# Altium PCB Goldstrike1_Rev01 2014 06 02 2.PcbDoc (part 3 of 6) (continued)
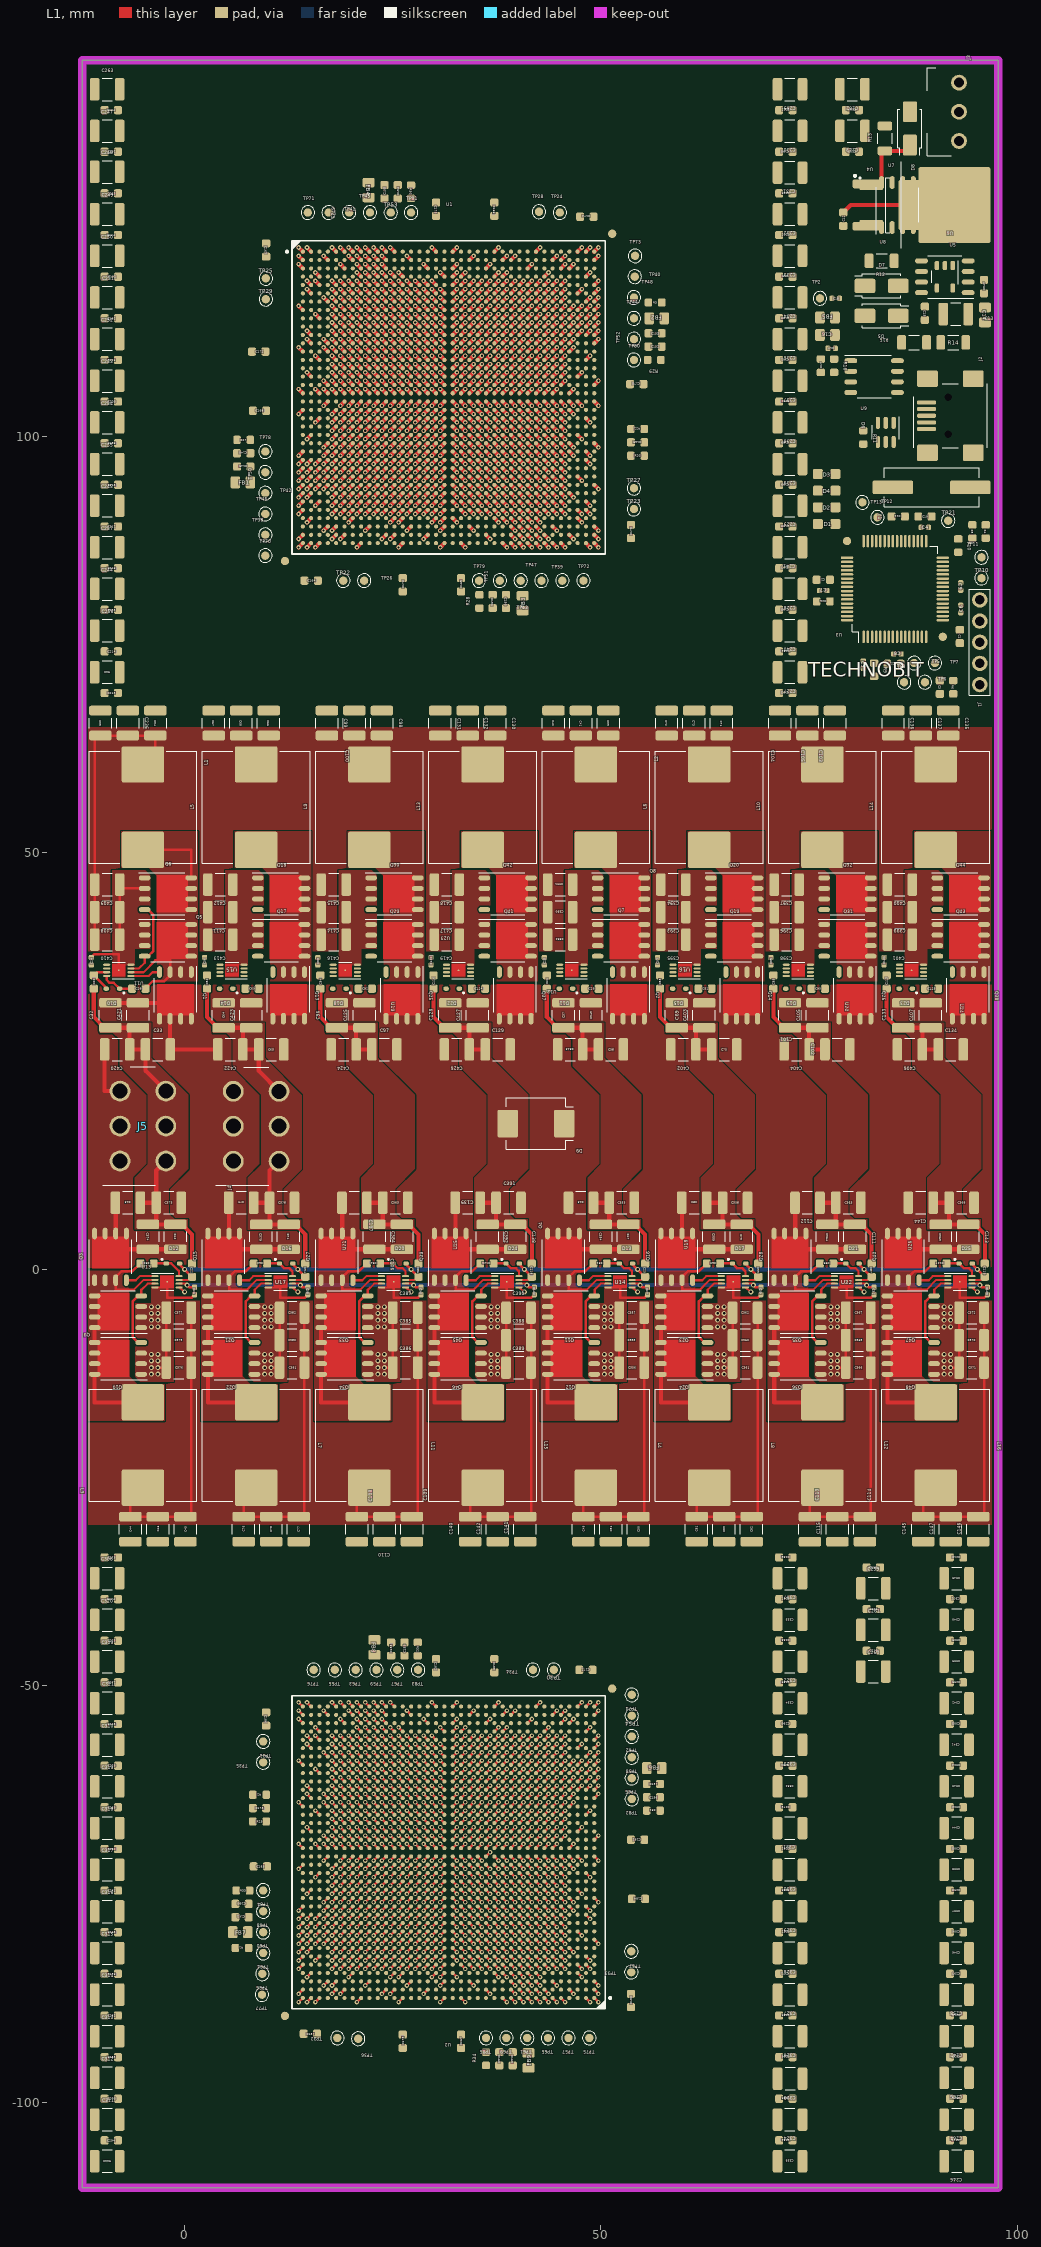
[diagram p0: L1 view]
## Nets (pads, with @x,y where several pads share a name; then routed paths per layer and width w, separated by ;. In a path a pad name is that pad's centre, name@x,y a point inside that pad or via, vN(x,y) a via of type N, cw(c..) or ccw(c..) an arc to the next point about the centre after c; other vN are vias at no path point) (continued)
  L1 w0.5: v1(13.7,96.7) U1.AF1@14.2,97.2 ; v1(16.7,105.7) U1.V4@17.2,105.2 ; v1(17.7,92.7) U1.AK5@18.2,93.2 ; v1(17.7,94.7) U1.AH5@18.2,95.2 ; v1(17.7,98.7) U1.AD5@18.2,99.2 ; v1(17.7,106.7) U1.U5@18.2,106.2 ; v1(17.7,108.7) U1.R5@18.2,108.2 ; v1(17.7,110.7) U1.N5@18.2,110.2 ; v1(17.7,112.7) U1.L5@18.2,112.2 ; v1(17.7,114.7) U1.J5@18.2,114.2 ; v1(18.7,91.7) U1.AL6@19.2,92.2 ; v1(18.7,93.7) U1.AJ6@19.2,94.2 ; v1(18.7,95.7) U1.AG6@19.2,96.2 ; v1(18.7,97.7) U1.AE6@19.2,98.2 ; v1(18.7,99.7) U1.AC6@19.2,100.2 ; v1(18.7,101.7) U1.AA6@19.2,102.2 ; v1(18.7,103.7) U1.W6@19.2,104.2 ; v1(18.7,105.7) U1.V6@19.2,105.2 ; v1(18.7,107.7) U1.T6@19.2,107.2 ; v1(18.7,109.7) U1.P6@19.2,109.2 ; v1(18.7,111.7) U1.M6@19.2,111.2 ; v1(18.7,113.7) U1.K6@19.2,113.2 ; v1(18.7,115.7) U1.H6@19.2,115.2 ; v1(18.7,117.7) U1.F6@19.2,117.2 ; v1(19.7,92.7) U1.AK7@20.2,93.2 ; v1(19.7,94.7) U1.AH7@20.2,95.2 ; v1(19.7,96.7) U1.AF7@20.2,97.2 ; v1(19.7,98.7) U1.AD7@20.2,99.2 ; v1(19.7,100.7) U1.AB7@20.2,101.2 ; v1(19.7,102.7) U1.Y7@20.2,103.2 ; v1(19.7,106.7) U1.U7@20.2,106.2 ; v1(19.7,108.7) U1.R7@20.2,108.2 ; v1(19.7,110.7) U1.N7@20.2,110.2 ; v1(19.7,112.7) U1.L7@20.2,112.2 ; v1(19.7,114.7) U1.J7@20.2,114.2 ; v1(19.7,116.7) U1.G7@20.2,116.2 ; v1(19.7,118.7) U1.E7@20.2,118.2 ; v1(20.7,91.7) U1.AL8@21.2,92.2 ; v1(20.7,93.7) U1.AJ8@21.2,94.2 ; v1(20.7,95.7) U1.AG8@21.2,96.2 ; v1(20.7,97.7) U1.AE8@21.2,98.2 ; v1(20.7,99.7) U1.AC8@21.2,100.2 ; v1(20.7,101.7) U1.AA8@21.2,102.2 ; v1(20.7,103.7) U1.W8@21.2,104.2 ; v1(20.7,105.7) U1.V8@21.2,105.2 ; v1(20.7,107.7) U1.T8@21.2,107.2 ; v1(20.7,109.7) U1.P8@21.2,109.2 ; v1(20.7,111.7) U1.M8@21.2,111.2 ; v1(20.7,113.7) U1.K8@21.2,113.2 ; v1(20.7,115.7) U1.H8@21.2,115.2 ; v1(20.7,117.7) U1.F8@21.2,117.2 ; v1(21.7,90.7) U1.AM9@22.2,91.2 ; v1(21.7,92.7) U1.AK9@22.2,93.2 ; v1(21.7,94.7) U1.AH9@22.2,95.2 ; v1(21.7,96.7) U1.AF9@22.2,97.2 ; v1(21.7,98.7) U1.AD9@22.2,99.2 ; v1(21.7,100.7) U1.AB9@22.2,101.2 ; v1(21.7,102.7) U1.Y9@22.2,103.2 ; v1(21.7,106.7) U1.U9@22.2,106.2 ; v1(21.7,108.7) U1.R9@22.2,108.2 ; v1(21.7,110.7) U1.N9@22.2,110.2 ; v1(21.7,112.7) U1.L9@22.2,112.2 ; v1(21.7,114.7) U1.J9@22.2,114.2 ; v1(21.7,116.7) U1.G9@22.2,116.2 ; v1(21.7,118.7) U1.E9@22.2,118.2 ; v1(22.7,91.7) U1.AL10@23.2,92.2 ; v1(22.7,93.7) U1.AJ10@23.2,94.2 ; v1(22.7,95.7) U1.AG10@23.2,96.2 ; v1(22.7,97.7) U1.AE10@23.2,98.2 ; v1(22.7,99.7) U1.AC10@23.2,100.2 ; v1(22.7,101.7) U1.AA10@23.2,102.2 ; v1(22.7,103.7) U1.W10@23.2,104.2 ; v1(22.7,105.7) U1.V10@23.2,105.2 ; v1(22.7,107.7) U1.T10@23.2,107.2 ; v1(22.7,109.7) U1.P10@23.2,109.2 ; v1(22.7,111.7) U1.M10@23.2,111.2 ; v1(22.7,113.7) U1.K10@23.2,113.2 ; v1(22.7,115.7) U1.H10@23.2,115.2 ; v1(22.7,117.7) U1.F10@23.2,117.2 ; v1(23.7,90.7) U1.AM11@24.2,91.2 ; v1(23.7,92.7) U1.AK11@24.2,93.2 ; v1(23.7,94.7) U1.AH11@24.2,95.2 ; v1(23.7,96.7) U1.AF11@24.2,97.2 ; v1(23.7,98.7) U1.AD11@24.2,99.2 ; v1(23.7,100.7) U1.AB11@24.2,101.2 ; v1(23.7,102.7) U1.Y11@24.2,103.2 ; v1(23.7,106.7) U1.U11@24.2,106.2 ; v1(23.7,108.7) U1.R11@24.2,108.2 ; v1(23.7,110.7) U1.N11@24.2,110.2 ; v1(23.7,112.7) U1.L11@24.2,112.2 ; v1(23.7,114.7) U1.J11@24.2,114.2 ; v1(23.7,116.7) U1.G11@24.2,116.2 ; v1(23.7,122.7) U1.A11@24.2,122.2 ; v1(24.7,91.7) U1.AL12@25.2,92.2 ; v1(24.7,93.7) U1.AJ12@25.2,94.2 ; v1(24.7,95.7) U1.AG12@25.2,96.2 ; v1(24.7,97.7) U1.AE12@25.2,98.2 ; v1(24.7,99.7) U1.AC12@25.2,100.2 ; v1(24.7,101.7) U1.AA12@25.2,102.2 ; v1(24.7,103.7) U1.W12@25.2,104.2 ; v1(24.7,105.7) U1.V12@25.2,105.2 ; v1(24.7,107.7) U1.T12@25.2,107.2 ; v1(24.7,109.7) U1.P12@25.2,109.2 ; v1(24.7,111.7) U1.M12@25.2,111.2 ; v1(24.7,113.7) U1.K12@25.2,113.2 ; v1(24.7,115.7) U1.H12@25.2,115.2 ; v1(24.7,117.7) U1.F12@25.2,117.2 ; v1(25.7,90.7) U1.AM13@26.2,91.2 ; v1(25.7,92.7) U1.AK13@26.2,93.2 ; v1(25.7,94.7) U1.AH13@26.2,95.2 ; v1(25.7,96.7) U1.AF13@26.2,97.2 ; v1(25.7,98.7) U1.AD13@26.2,99.2 ; v1(25.7,100.7) U1.AB13@26.2,101.2 ; v1(25.7,102.7) U1.Y13@26.2,103.2 ; v1(25.7,106.7) U1.U13@26.2,106.2 ; v1(25.7,108.7) U1.R13@26.2,108.2 ; v1(25.7,110.7) U1.N13@26.2,110.2 ; v1(25.7,112.7) U1.L13@26.2,112.2 ; v1(25.7,114.7) U1.J13@26.2,114.2 ; v1(25.7,116.7) U1.G13@26.2,116.2 ; v1(25.7,118.7) U1.E13@26.2,118.2 ; v1(26.7,91.7) U1.AL14@27.2,92.2 ; v1(26.7,93.7) U1.AJ14@27.2,94.2 ; v1(26.7,95.7) U1.AG14@27.2,96.2 ; v1(26.7,97.7) U1.AE14@27.2,98.2 ; v1(26.7,99.7) U1.AC14@27.2,100.2 ; v1(26.7,101.7) U1.AA14@27.2,102.2 ; v1(26.7,103.7) U1.W14@27.2,104.2 ; v1(26.7,105.7) U1.V14@27.2,105.2 ; v1(26.7,107.7) U1.T14@27.2,107.2 ; v1(26.7,109.7) U1.P14@27.2,109.2 ; v1(26.7,111.7) U1.M14@27.2,111.2 ; v1(26.7,113.7) U1.K14@27.2,113.2 ; v1(26.7,115.7) U1.H14@27.2,115.2 ; v1(26.7,117.7) U1.F14@27.2,117.2 ; v1(27.7,90.7) U1.AM15@28.2,91.2 ; v1(27.7,92.7) U1.AK15@28.2,93.2 ; v1(27.7,94.7) U1.AH15@28.2,95.2 ; v1(27.7,96.7) U1.AF15@28.2,97.2 ; v1(27.7,98.7) U1.AD15@28.2,99.2 ; v1(27.7,100.7) U1.AB15@28.2,101.2 ; v1(27.7,102.7) U1.Y15@28.2,103.2 ; v1(27.7,106.7) U1.U15@28.2,106.2 ; v1(27.7,108.7) U1.R15@28.2,108.2 ; v1(27.7,110.7) U1.N15@28.2,110.2 ; v1(27.7,112.7) U1.L15@28.2,112.2 ; v1(27.7,114.7) U1.J15@28.2,114.2 ; v1(27.7,116.7) U1.G15@28.2,116.2 ; v1(28.7,91.7) U1.AL16@29.2,92.2 ; v1(28.7,93.7) U1.AJ16@29.2,94.2 ; v1(28.7,95.7) U1.AG16@29.2,96.2 ; v1(28.7,97.7) U1.AE16@29.2,98.2 ; v1(28.7,99.7) U1.AC16@29.2,100.2 ; v1(28.7,101.7) U1.AA16@29.2,102.2 ; v1(28.7,103.7) U1.W16@29.2,104.2 ; v1(28.7,105.7) U1.V16@29.2,105.2 ; v1(28.7,107.7) U1.T16@29.2,107.2 ; v1(28.7,109.7) U1.P16@29.2,109.2 ; v1(28.7,111.7) U1.M16@29.2,111.2 ; v1(28.7,113.7) U1.K16@29.2,113.2 ; v1(28.7,115.7) U1.H16@29.2,115.2 ; v1(28.7,117.7) U1.F16@29.2,117.2 ; v1(29.7,90.7) U1.AM17@30.2,91.2 ; v1(29.7,92.7) U1.AK17@30.2,93.2 ; v1(29.7,94.7) U1.AH17@30.2,95.2 ; v1(29.7,96.7) U1.AF17@30.2,97.2 ; v1(29.7,98.7) U1.AD17@30.2,99.2 ; v1(29.7,100.7) U1.AB17@30.2,101.2 ; v1(29.7,102.7) U1.Y17@30.2,103.2 ; v1(29.7,106.7) U1.U17@30.2,106.2 ; v1(29.7,108.7) U1.R17@30.2,108.2 ; v1(29.7,110.7) U1.N17@30.2,110.2 ; v1(29.7,112.7) U1.L17@30.2,112.2 ; v1(29.7,114.7) U1.J17@30.2,114.2 ; v1(29.7,116.7) U1.G17@30.2,116.2 ; v1(30.7,89.7) U1.AN18@31.2,90.2 ; v1(30.7,91.7) U1.AL18@31.2,92.2 ; v1(30.7,93.7) U1.AJ18@31.2,94.2 ; v1(30.7,95.7) U1.AG18@31.2,96.2 ; v1(30.7,97.7) U1.AE18@31.2,98.2 ; v1(30.7,99.7) U1.AC18@31.2,100.2 ; v1(30.7,101.7) U1.AA18@31.2,102.2 ; v1(30.7,103.7) U1.W18@31.2,104.2 ; v1(30.7,105.7) U1.V18@31.2,105.2 ; v1(30.7,107.7) U1.T18@31.2,107.2 ; v1(30.7,109.7) U1.P18@31.2,109.2 ; v1(30.7,111.7) U1.M18@31.2,111.2 ; v1(30.7,113.7) U1.K18@31.2,113.2 ; v1(30.7,115.7) U1.H18@31.2,115.2 ; v1(30.7,117.7) U1.F18@31.2,117.2 ; U1.AL19@32.2,92.2 v1(32.7,91.7) ; U1.AJ19@32.2,94.2 v1(32.7,93.7) ; U1.AG19@32.2,96.2 v1(32.7,95.7) ; U1.AE19@32.2,98.2 v1(32.7,97.7) ; U1.AC19@32.2,100.2 v1(32.7,99.7) ; U1.AA19@32.2,102.2 v1(32.7,101.7) ; U1.W19@32.2,104.2 v1(32.7,103.7) ; U1.V19@32.2,105.2 v1(32.7,105.7) ; U1.T19@32.2,107.2 v1(32.7,107.7) ; U1.P19@32.2,109.2 v1(32.7,109.7) ; U1.M19@32.2,111.2 v1(32.7,111.7) ; U1.K19@32.2,113.2 v1(32.7,113.7) ; U1.H19@32.2,115.2 v1(32.7,115.7) ; U1.F19@32.2,117.2 v1(32.7,117.7) ; U1.D19@32.2,119.2 v1(32.7,119.7) ; U1.AK20@33.2,93.2 v1(33.7,92.7) ; U1.AH20@33.2,95.2 v1(33.7,94.7) ; U1.AF20@33.2,97.2 v1(33.7,96.7) ; U1.AD20@33.2,99.2 v1(33.7,98.7) ; U1.AB20@33.2,101.2 v1(33.7,100.7) ; U1.Y20@33.2,103.2 v1(33.7,102.7) ; U1.U20@33.2,106.2 v1(33.7,106.7) ; U1.R20@33.2,108.2 v1(33.7,108.7) ; U1.N20@33.2,110.2 v1(33.7,110.7) ; U1.L20@33.2,112.2 v1(33.7,112.7) ; U1.J20@33.2,114.2 v1(33.7,114.7) ; U1.G20@33.2,116.2 v1(33.7,116.7) ; U1.E20@33.2,118.2 v1(33.7,118.7) ; U1.AL21@34.2,92.2 v1(34.7,91.7) ; U1.AJ21@34.2,94.2 v1(34.7,93.7) ; U1.AG21@34.2,96.2 v1(34.7,95.7) ; U1.AE21@34.2,98.2 v1(34.7,97.7) ; U1.AC21@34.2,100.2 v1(34.7,99.7) ; U1.AA21@34.2,102.2 v1(34.7,101.7) ; U1.W21@34.2,104.2 v1(34.7,103.7) ; U1.V21@34.2,105.2 v1(34.7,105.7) ; U1.T21@34.2,107.2 v1(34.7,107.7) ; U1.P21@34.2,109.2 v1(34.7,109.7) ; U1.M21@34.2,111.2 v1(34.7,111.7) ; U1.K21@34.2,113.2 v1(34.7,113.7) ; U1.H21@34.2,115.2 v1(34.7,115.7) ; U1.F21@34.2,117.2 v1(34.7,117.7) ; U1.AK22@35.2,93.2 v1(35.7,92.7) ; U1.AH22@35.2,95.2 v1(35.7,94.7) ; U1.AF22@35.2,97.2 v1(35.7,96.7) ; U1.AD22@35.2,99.2 v1(35.7,98.7) ; U1.AB22@35.2,101.2 v1(35.7,100.7) ; U1.Y22@35.2,103.2 v1(35.7,102.7) ; U1.U22@35.2,106.2 v1(35.7,106.7) ; U1.R22@35.2,108.2 v1(35.7,108.7) ; U1.N22@35.2,110.2 v1(35.7,110.7) ; U1.L22@35.2,112.2 v1(35.7,112.7) ; U1.J22@35.2,114.2 v1(35.7,114.7) ; U1.G22@35.2,116.2 v1(35.7,116.7) ; U1.E22@35.2,118.2 v1(35.7,118.7) ; U1.AL23@36.2,92.2 v1(36.7,91.7) ; U1.AJ23@36.2,94.2 v1(36.7,93.7) ; U1.AG23@36.2,96.2 v1(36.7,95.7) ; U1.AE23@36.2,98.2 v1(36.7,97.7) ; U1.AC23@36.2,100.2 v1(36.7,99.7) ; U1.AA23@36.2,102.2 v1(36.7,101.7) ; U1.W23@36.2,104.2 v1(36.7,103.7) ; U1.V23@36.2,105.2 v1(36.7,105.7) ; U1.T23@36.2,107.2 v1(36.7,107.7) ; U1.P23@36.2,109.2 v1(36.7,109.7) ; U1.M23@36.2,111.2 v1(36.7,111.7) ; U1.K23@36.2,113.2 v1(36.7,113.7) ; U1.H23@36.2,115.2 v1(36.7,115.7) ; U1.F23@36.2,117.2 v1(36.7,117.7) ; U1.AM24@37.2,91.2 v1(37.7,90.7) ; U1.AK24@37.2,93.2 v1(37.7,92.7) ; U1.AH24@37.2,95.2 v1(37.7,94.7) ; U1.AF24@37.2,97.2 v1(37.7,96.7) ; U1.AD24@37.2,99.2 v1(37.7,98.7) ; U1.AB24@37.2,101.2 v1(37.7,100.7) ; U1.Y24@37.2,103.2 v1(37.7,102.7) ; U1.U24@37.2,106.2 v1(37.7,106.7) ; U1.R24@37.2,108.2 v1(37.7,108.7) ; U1.N24@37.2,110.2 v1(37.7,110.7) ; U1.L24@37.2,112.2 v1(37.7,112.7) ; U1.J24@37.2,114.2 v1(37.7,114.7) ; U1.G24@37.2,116.2 v1(37.7,116.7) ; U1.E24@37.2,118.2 v1(37.7,118.7) ; U1.AL25@38.2,92.2 v1(38.7,91.7) ; U1.AJ25@38.2,94.2 v1(38.7,93.7) ; U1.AG25@38.2,96.2 v1(38.7,95.7) ; U1.AE25@38.2,98.2 v1(38.7,97.7) ; U1.AC25@38.2,100.2 v1(38.7,99.7) ; U1.AA25@38.2,102.2 v1(38.7,101.7) ; U1.W25@38.2,104.2 v1(38.7,103.7) ; U1.V25@38.2,105.2 v1(38.7,105.7) ; U1.T25@38.2,107.2 v1(38.7,107.7) ; U1.P25@38.2,109.2 v1(38.7,109.7) ; U1.M25@38.2,111.2 v1(38.7,111.7) ; U1.K25@38.2,113.2 v1(38.7,113.7) ; U1.H25@38.2,115.2 v1(38.7,115.7) ; U1.F25@38.2,117.2 v1(38.7,117.7) ; U1.AT26@39.2,87.2 v1(39.7,86.7) ; U1.AK26@39.2,93.2 v1(39.7,92.7) ; U1.AH26@39.2,95.2 v1(39.7,94.7) ; U1.AF26@39.2,97.2 v1(39.7,96.7) ; U1.AD26@39.2,99.2 v1(39.7,98.7) ; U1.AB26@39.2,101.2 v1(39.7,100.7) ; U1.Y26@39.2,103.2 v1(39.7,102.7) ; U1.U26@39.2,106.2 v1(39.7,106.7) ; U1.R26@39.2,108.2 v1(39.7,108.7) ; U1.N26@39.2,110.2 v1(39.7,110.7) ; U1.L26@39.2,112.2 v1(39.7,112.7) ; U1.J26@39.2,114.2 v1(39.7,114.7) ; U1.G26@39.2,116.2 v1(39.7,116.7) ; U1.E26@39.2,118.2 v1(39.7,118.7) ; U1.AL27@40.2,92.2 v1(40.7,91.7) ; U1.AJ27@40.2,94.2 v1(40.7,93.7) ; U1.AG27@40.2,96.2 v1(40.7,95.7) ; U1.AE27@40.2,98.2 v1(40.7,97.7) ; U1.AC27@40.2,100.2 v1(40.7,99.7) ; U1.AA27@40.2,102.2 v1(40.7,101.7) ; U1.W27@40.2,104.2 v1(40.7,103.7) ; U1.V27@40.2,105.2 v1(40.7,105.7) ; U1.T27@40.2,107.2 v1(40.7,107.7) ; U1.P27@40.2,109.2 v1(40.7,109.7) ; U1.M27@40.2,111.2 v1(40.7,111.7) ; U1.K27@40.2,113.2 v1(40.7,113.7) ; U1.H27@40.2,115.2 v1(40.7,115.7) ; U1.F27@40.2,117.2 v1(40.7,117.7) ; U1.AM28@41.2,91.2 v1(41.7,90.7) ; U1.AK28@41.2,93.2 v1(41.7,92.7) ; U1.AH28@41.2,95.2 v1(41.7,94.7) ; U1.AF28@41.2,97.2 v1(41.7,96.7) ; U1.AD28@41.2,99.2 v1(41.7,98.7) ; U1.AB28@41.2,101.2 v1(41.7,100.7) ; U1.Y28@41.2,103.2 v1(41.7,102.7) ; U1.U28@41.2,106.2 v1(41.7,106.7) ; U1.R28@41.2,108.2 v1(41.7,108.7) ; U1.N28@41.2,110.2 v1(41.7,110.7) ; U1.L28@41.2,112.2 v1(41.7,112.7) ; U1.J28@41.2,114.2 v1(41.7,114.7) ; U1.G28@41.2,116.2 v1(41.7,116.7) ; U1.E28@41.2,118.2 v1(41.7,118.7) ; U1.AL29@42.2,92.2 v1(42.7,91.7) ; U1.AJ29@42.2,94.2 v1(42.7,93.7) ; U1.AG29@42.2,96.2 v1(42.7,95.7) ; U1.AE29@42.2,98.2 v1(42.7,97.7) ; U1.AC29@42.2,100.2 v1(42.7,99.7) ; U1.AA29@42.2,102.2 v1(42.7,101.7) ; U1.W29@42.2,104.2 v1(42.7,103.7) ; U1.V29@42.2,105.2 v1(42.7,105.7) ; U1.T29@42.2,107.2 v1(42.7,107.7) ; U1.P29@42.2,109.2 v1(42.7,109.7) ; U1.M29@42.2,111.2 v1(42.7,111.7) ; U1.K29@42.2,113.2 v1(42.7,113.7) ; U1.H29@42.2,115.2 v1(42.7,115.7) ; U1.F29@42.2,117.2 v1(42.7,117.7) ; U1.AM30@43.2,91.2 v1(43.7,90.7) ; U1.AK30@43.2,93.2 v1(43.7,92.7) ; U1.AH30@43.2,95.2 v1(43.7,94.7) ; U1.AF30@43.2,97.2 v1(43.7,96.7) ; U1.AD30@43.2,99.2 v1(43.7,98.7) ; U1.AB30@43.2,101.2 v1(43.7,100.7) ; U1.Y30@43.2,103.2 v1(43.7,102.7) ; U1.U30@43.2,106.2 v1(43.7,106.7) ; U1.R30@43.2,108.2 v1(43.7,108.7) ; U1.N30@43.2,110.2 v1(43.7,110.7) ; U1.L30@43.2,112.2 v1(43.7,112.7) ; U1.J30@43.2,114.2 v1(43.7,114.7) ; U1.G30@43.2,116.2 v1(43.7,116.7) ; U1.AL31@44.2,92.2 v1(44.7,91.7) ; U1.AJ31@44.2,94.2 v1(44.7,93.7) ; U1.AG31@44.2,96.2 v1(44.7,95.7) ; U1.AE31@44.2,98.2 v1(44.7,97.7) ; U1.AC31@44.2,100.2 v1(44.7,99.7) ; U1.AA31@44.2,102.2 v1(44.7,101.7) ; U1.W31@44.2,104.2 v1(44.7,103.7) ; U1.V31@44.2,105.2 v1(44.7,105.7) ; U1.T31@44.2,107.2 v1(44.7,107.7) ; U1.P31@44.2,109.2 v1(44.7,109.7) ; U1.M31@44.2,111.2 v1(44.7,111.7) ; U1.K31@44.2,113.2 v1(44.7,113.7) ; U1.H31@44.2,115.2 v1(44.7,115.7) ; U1.F31@44.2,117.2 v1(44.7,117.7) ; U1.AH32@45.2,95.2 v1(45.7,94.7) ; U1.AF32@45.2,97.2 v1(45.7,96.7) ; U1.AD32@45.2,99.2 v1(45.7,98.7) ; U1.AB32@45.2,101.2 v1(45.7,100.7) ; U1.Y32@45.2,103.2 v1(45.7,102.7) ; U1.N32@45.2,110.2 v1(45.7,110.7) ; U1.J32@45.2,114.2 v1(45.7,114.7) ; U1.G32@45.2,116.2 v1(45.7,116.7) ; U1.W33@46.2,104.2 v1(46.7,103.7) ; U1.L36@49.2,112.2 v1(49.7,112.7)
3.3V: C4.1 C6.1 C7.1 C8.1 C9.1 C13.2 C14.1 C24.1 C25.1 C26.1 C27.1 C56.1 C57.1 C58.1 C59.1 C88.1 C89.1 C90.1 C91.1 C120.1 C121.1 C122.1 C123.1 C164.2 C165.2 C166.2 C167.2 C168.2 C169.2 C170.2 C171.2 C172.2 C173.2 C174.2 C175.2 C176.2 C177.2 C178.2 C179.2 C180.2 C181.2 C182.2 C183.2 C184.2 C185.2 C186.2 C187.2 C347.1 J1.2 R9.2 R14.2 R21.1 R27.1 R28.1 R29.1 R30.1 R31.1 R32.1 R33.1 R34.1 U1.A7 U1.A17 U1.A24 U1.A34 U1.AA35 U1.AB5 U1.AC2 U1.AD36 U1.AE33 U1.AF3 U1.AH34 U1.AJ4 U1.AK1 U1.AL35 U1.AM5 U1.AM22 U1.AM32 U1.AM34 U1.AN2 U1.AN12 U1.AN19 U1.AN29 U1.AP5 U1.AP9 U1.AP26 U1.AP36 U1.AR6 U1.AR16 U1.AR23 U1.AR33 U1.AT3 U1.AT13 U1.AT20 U1.AT30 U1.B4 U1.B14 U1.B21 U1.B31 U1.C1 U1.C11 U1.C28 U1.C32 U1.D8 U1.D18 U1.D25 U1.D35 U1.E3 U1.E5 U1.E15 U1.E32 U1.F2 U1.G36 U1.H33 U1.J3 U1.L34 U1.M4 U1.N1 U1.P35 U1.R32 U1.T2 U1.U36 U1.V33 U1.W4 U1.Y1 U2.A7 U2.A17 U2.A24 U2.A34 U2.AA35 U2.AB5 U2.AC2 U2.AD36 U2.AE33 U2.AF3 U2.AH34 U2.AJ4 U2.AK1 U2.AL35 U2.AM5 U2.AM22 U2.AM32 U2.AM34 U2.AN2 U2.AN12 U2.AN19 U2.AN29 U2.AP5 U2.AP9 U2.AP26 U2.AP36 U2.AR6 U2.AR16 U2.AR23 U2.AR33 U2.AT3 U2.AT13 U2.AT20 U2.AT30 U2.B4 U2.B14 U2.B21 U2.B31 U2.C1 U2.C11 U2.C28 U2.C32 U2.D8 U2.D18 U2.D25 U2.D35 U2.E3 U2.E5 U2.E15 U2.E32 U2.F2 U2.G36 U2.H33 U2.J3 U2.L34 U2.M4 U2.N1 U2.P35 U2.R32 U2.T2 U2.U36 U2.V33 U2.W4 U2.Y1 U3.10 U3.19 U3.26 U3.35 U3.38 U3.57 U5.5 U6.1 U11.6 U12.6 U13.6 U14.6 U15.6 U16.6 U17.6 U18.6 U19.6 U20.6 U21.6 U22.6 U23.6 U24.6 U25.6 U26.6 | length 201.9
  L1 w0.25: U13.6@-0.65,-1.725 0.125,-1.725 v2(0.3,-1.9) ; U17.6@12.95,-1.725 13.725,-1.725 v2(13.9,-1.9) ; U21.6@26.55,-1.725 27.325,-1.725 v2(27.5,-1.9) ; U25.6@40.15,-1.725 40.925,-1.725 v2(41.1,-1.9) ; U14.6@53.75,-1.725 54.525,-1.725 v2(54.7,-1.9) ; U18.6@67.35,-1.725 68.125,-1.725 v2(68.3,-1.9) ; U22.6@80.95,-1.725 81.725,-1.725 v2(81.9,-1.9) ; U26.6@94.55,-1.725 95.325,-1.725 v2(95.5,-1.9)
  L1 w0.3: v2(0.3,-1.9) 0.55,-2.15 C26.1@1.2,-2.15 ; v1(13.7,-82) U2.G36@14.2,-81.5 ; v1(13.7,-72) U2.U36@14.2,-71.5 ; v1(13.7,-64) U2.AD36@14.2,-64.5 ; v1(13.7,-54) U2.AP36@14.2,-54.5 ; v2(13.9,-1.9) 14.15,-2.15 C58.1@14.8,-2.15 ; v1(14.7,-85) U2.D35@15.2,-84.5 ; v1(14.7,-75) U2.P35@15.2,-74.5 ; v1(14.7,-67) U2.AA35@15.2,-67.5 ; v1(14.7,-57) U2.AL35@15.2,-57.5 ; v1(15.7,-88) U2.A34@16.2,-87.5 ; v1(15.7,-78) U2.L34@16.2,-77.5 ; v1(15.7,-60) U2.AH34@16.2,-60.5 ; v1(15.7,-56) U2.AM34@16.2,-56.5 ; v1(16.7,-81) U2.H33@17.2,-80.5 ; v1(16.7,-71) U2.V33@17.2,-70.5 ; v1(16.7,-63) U2.AE33@17.2,-63.5 ; v1(16.7,-53) U2.AR33@17.2,-53.5 ; v1(17.7,-86) U2.C32@18.2,-85.5 ; v1(17.7,-84) U2.E32@18.2,-83.5 ; v1(17.7,-74) U2.R32@18.2,-73.5 ; v1(17.7,-56) U2.AM32@18.2,-56.5 ; v1(18.7,-87) U2.B31@19.2,-86.5 ; v1(19.7,-52) U2.AT30@20.2,-52.5 ; v1(20.7,-55) U2.AN29@21.2,-55.5 ; v1(21.7,-86) U2.C28@22.2,-85.5 ; v1(23.7,-54) U2.AP26@24.2,-54.5 ; v1(24.7,-85) U2.D25@25.2,-84.5 ; v1(25.7,-88) U2.A24@26.2,-87.5 ; v1(26.7,-53) U2.AR23@27.2,-53.5 ; v2(27.5,-1.9) 27.75,-2.15 C90.1@28.4,-2.15 ; v1(27.7,-56) U2.AM22@28.2,-56.5 ; v1(28.7,-87) U2.B21@29.2,-86.5 ; v1(29.7,-52) U2.AT20@30.2,-52.5 ; v1(30.7,-55) U2.AN19@31.2,-55.5 ; U2.D18@32.2,-84.5 v1(32.7,-85) ; U2.A17@33.2,-87.5 v1(33.7,-88) ; U2.AR16@34.2,-53.5 v1(34.7,-53) ; U2.E15@35.2,-83.5 v1(35.7,-84) ; U2.B14@36.2,-86.5 v1(36.7,-87) ; U2.AT13@37.2,-52.5 v1(37.7,-52) ; U2.AN12@38.2,-55.5 v1(38.7,-55) ; U2.C11@39.2,-85.5 v1(39.7,-86) ; v2(41.1,-1.9) 41.35,-2.15 C122.1@42,-2.15 ; U2.AP9@41.2,-54.5 v1(41.7,-54) ; U2.D8@42.2,-84.5 v1(42.7,-85) ; U2.A7@43.2,-87.5 v1(43.7,-88) ; U2.AR6@44.2,-53.5 v1(44.7,-53) ; U2.E5@45.2,-83.5 v1(45.7,-84) ; U2.AB5@45.2,-66.5 v1(45.7,-66) ; U2.AM5@45.2,-56.5 v1(45.7,-56) ; U2.AP5@45.2,-54.5 v1(45.7,-54) ; U2.B4@46.2,-86.5 v1(46.7,-87) ; U2.M4@46.2,-76.5 v1(46.7,-77) ; U2.W4@46.2,-69.5 v1(46.7,-69) ; U2.AJ4@46.2,-59.5 v1(46.7,-59) ; U2.E3@47.2,-83.5 v1(47.7,-84) ; U2.J3@47.2,-79.5 v1(47.7,-80) ; U2.AF3@47.2,-62.5 v1(47.7,-62) ; U2.AT3@47.2,-52.5 v1(47.7,-52) ; U2.F2@48.2,-82.5 v1(48.7,-83) ; U2.T2@48.2,-72.5 v1(48.7,-73) ; U2.AC2@48.2,-65.5 v1(48.7,-65) ; U2.AN2@48.2,-55.5 v1(48.7,-55) ; U2.C1@49.2,-85.5 v1(49.7,-86) ; U2.N1@49.2,-75.5 v1(49.7,-76) ; U2.Y1@49.2,-68.5 v1(49.7,-68) ; U2.AK1@49.2,-58.5 v1(49.7,-58) ; v2(54.7,-1.9) 54.95,-2.15 C27.1@55.6,-2.15 ; v2(68.3,-1.9) 68.55,-2.15 C59.1@69.2,-2.15 ; v2(81.9,-1.9) 82.15,-2.15 C91.1@82.8,-2.15 ; v2(95.5,-1.9) 95.75,-2.15 C123.1@96.4,-2.15
  L1 w0.5: v1(13.7,92.7) U1.AK1@14.2,93.2 ; v1(13.7,102.7) U1.Y1@14.2,103.2 ; v1(13.7,110.7) U1.N1@14.2,110.2 ; v1(13.7,120.7) U1.C1@14.2,120.2 ; v1(14.7,89.7) U1.AN2@15.2,90.2 ; v1(14.7,99.7) U1.AC2@15.2,100.2 ; v1(14.7,107.7) U1.T2@15.2,107.2 ; v1(14.7,117.7) U1.F2@15.2,117.2 ; v1(15.7,86.7) U1.AT3@16.2,87.2 ; v1(15.7,96.7) U1.AF3@16.2,97.2 ; v1(15.7,114.7) U1.J3@16.2,114.2 ; v1(15.7,118.7) U1.E3@16.2,118.2 ; v1(16.7,93.7) U1.AJ4@17.2,94.2 ; v1(16.7,103.7) U1.W4@17.2,104.2 ; v1(16.7,111.7) U1.M4@17.2,111.2 ; v1(16.7,121.7) U1.B4@17.2,121.2 ; v1(17.7,88.7) U1.AP5@18.2,89.2 ; v1(17.7,90.7) U1.AM5@18.2,91.2 ; v1(17.7,100.7) U1.AB5@18.2,101.2 ; v1(17.7,118.7) U1.E5@18.2,118.2 ; v1(18.7,87.7) U1.AR6@19.2,88.2 ; v1(19.7,122.7) U1.A7@20.2,122.2 ; v1(20.7,119.7) U1.D8@21.2,119.2 ; v1(21.7,88.7) U1.AP9@22.2,89.2 ; v1(23.7,120.7) U1.C11@24.2,120.2 ; v1(24.7,89.7) U1.AN12@25.2,90.2 ; v1(25.7,86.7) U1.AT13@26.2,87.2 ; v1(26.7,121.7) U1.B14@27.2,121.2 ; v1(27.7,118.7) U1.E15@28.2,118.2 ; v1(28.7,87.7) U1.AR16@29.2,88.2 ; v1(29.7,122.7) U1.A17@30.2,122.2 ; v1(30.7,119.7) U1.D18@31.2,119.2 ; U1.AN19@32.2,90.2 v1(32.7,89.7) ; U1.AT20@33.2,87.2 v1(33.7,86.7) ; U1.B21@34.2,121.2 v1(34.7,121.7) ; U1.AM22@35.2,91.2 v1(35.7,90.7) ; U1.AR23@36.2,88.2 v1(36.7,87.7) ; U1.A24@37.2,122.2 v1(37.7,122.7) ; U1.D25@38.2,119.2 v1(38.7,119.7) ; U1.AP26@39.2,89.2 v1(39.7,88.7) ; U1.C28@41.2,120.2 v1(41.7,120.7) ; U1.AN29@42.2,90.2 v1(42.7,89.7) ; U1.AT30@43.2,87.2 v1(43.7,86.7) ; U1.B31@44.2,121.2 v1(44.7,121.7) ; U1.AM32@45.2,91.2 v1(45.7,90.7) ; U1.R32@45.2,108.2 v1(45.7,108.7) ; U1.E32@45.2,118.2 v1(45.7,118.7) ; U1.C32@45.2,120.2 v1(45.7,120.7) ; U1.AR33@46.2,88.2 v1(46.7,87.7) ; U1.AE33@46.2,98.2 v1(46.7,97.7) ; U1.V33@46.2,105.2 v1(46.7,105.7) ; U1.H33@46.2,115.2 v1(46.7,115.7) ; U1.AM34@47.2,91.2 v1(47.7,90.7) ; U1.AH34@47.2,95.2 v1(47.7,94.7) ; U1.L34@47.2,112.2 v1(47.7,112.7) ; U1.A34@47.2,122.2 v1(47.7,122.7) ; U1.AL35@48.2,92.2 v1(48.7,91.7) ; U1.AA35@48.2,102.2 v1(48.7,101.7) ; U1.P35@48.2,109.2 v1(48.7,109.7) ; U1.D35@48.2,119.2 v1(48.7,119.7) ; U1.AP36@49.2,89.2 v1(49.7,88.7) ; U1.AD36@49.2,99.2 v1(49.7,98.7) ; U1.U36@49.2,106.2 v1(49.7,106.7) ; U1.G36@49.2,116.2 v1(49.7,116.7)
  L4 w0.5: v2(0.3,-1.9) v2(13.9,-1.9) v2(27.5,-1.9) v2(41.1,-1.9) v2(54.7,-1.9) v2(68.3,-1.9) v2(81.9,-1.9) v2(95.5,-1.9)
5.0V: C12.1 C20.2 C21.2 C22.2 C23.2 C52.2 C53.2 C54.2 C55.2 C84.2 C85.2 C86.2 C87.2 C116.2 C117.2 C118.2 C119.2 D5.2 D7.1 D10.2 D11.2 D12.2 D13.2 D14.2 D15.2 D16.2 D17.2 D18.2 D19.2 D20.2 D21.2 D22.2 D23.2 D24.2 D25.2 J3.1 R12.1 U4.1 U7.3 U8.3 U11.7 U12.7 U13.7 U14.7 U15.7 U16.7 U17.7 U18.7 U19.7 U20.7 U21.7 U22.7 U23.7 U24.7 U25.7 U26.7 | length 130.5
  L1 w0.25: C20.2@-10.9,35.3 -10.875,35.3 -10.5,35.675 U11.7@-9.35,35.675 ; U13.7@-0.65,-1.275 0.425,-1.275 0.8,-0.9 C22.2@0.9,-0.9 ; U17.7@12.95,-1.275 14.025,-1.275 14.4,-0.9 C54.2@14.5,-0.9 ; U21.7@26.55,-1.275 27.625,-1.275 28,-0.9 C86.2@28.1,-0.9 ; U25.7@40.15,-1.275 41.225,-1.275 41.6,-0.9 C118.2@41.7,-0.9 ; U14.7@53.75,-1.275 54.825,-1.275 55.2,-0.9 C23.2@55.3,-0.9 ; U18.7@67.35,-1.275 68.425,-1.275 68.8,-0.9 C55.2@68.9,-0.9 ; U22.7@80.95,-1.275 82.025,-1.275 82.4,-0.9 C87.2@82.5,-0.9 ; U26.7@94.55,-1.275 95.625,-1.275 96,-0.9 C119.2@96.1,-0.9
  L1 w0.3: C20.2@-10.9,35.3 -9.4,33.8 D10.2@-9.4,33.7 ; D12.2@-0.6,0.7 -0.6,0.6 v2(0,0) C22.2@0.9,-0.9 ; D16.2@13,0.7 13,0.6 C54.2@14.5,-0.9 ; D20.2@26.6,0.7 26.6,0.6 v2(27.2,0) C86.2@28.1,-0.9 ; D24.2@40.2,0.7 40.2,0.6 v2(40.8,0) C118.2@41.7,-0.9 ; D13.2@53.8,0.7 53.8,0.6 C23.2@55.3,-0.9 ; D17.2@67.4,0.7 67.4,0.6 C55.2@68.9,-0.9 ; D21.2@81,0.7 81,0.6 v2(81.6,0) C87.2@82.5,-0.9 ; D25.2@94.6,0.7 94.6,0.6 C119.2@96.1,-0.9
  L4 w0.5: v2(0,0) v2(13.6,0) v2(27.2,0) v2(40.8,0) v2(54.4,0) v2(68,0) v2(81.6,0) v2(95.2,0)
12V: C32.2 C33.2 C37.2 C38.2 C42.2 C43.2 C47.2 C48.2 C64.2 C65.2 C69.2 C70.2 C74.2 C75.2 C79.2 C80.2 C96.2 C97.2 C101.2 C102.2 C106.2 C107.2 C111.2 C112.2 C128.2 C129.2 C133.2 C134.2 C138.2 C139.2 C143.2 C144.2 C348.2 C349.2 C353.2 C354.2 C358.2 C359.2 C363.2 C364.2 C368.2 C369.2 C373.2 C374.2 C378.2 C379.2 C383.2 C384.2 C391.2 C392.2 C402.2 C403.2 C404.2 C405.2 C406.2 C407.2 C420.2 C421.2 C422.2 C423.2 C424.2 C425.2 C426.2 C427.2 D8.2 D9.1 J3.3 J4.1 J4.2 J4.3 J5.1 J5.2 J5.3 Q1.5 Q1.6 Q1.7 Q1.8 Q2.5 Q2.6 Q2.7 Q2.8 Q3.5 Q3.6 Q3.7 Q3.8 Q4.5 Q4.6 Q4.7 Q4.8 Q13.5 Q13.6 Q13.7 Q13.8 Q14.5 Q14.6 Q14.7 Q14.8 Q15.5 Q15.6 Q15.7 Q15.8 Q16.5 Q16.6 Q16.7 Q16.8 Q25.5 Q25.6 Q25.7 Q25.8 Q26.5 Q26.6 Q26.7 Q26.8 Q27.5 Q27.6 Q27.7 Q27.8 Q28.5 Q28.6 Q28.7 Q28.8 Q37.5 Q37.6 Q37.7 Q37.8 Q38.5 Q38.6 Q38.7 Q38.8 Q39.5 Q39.6 Q39.7 Q39.8 Q40.5 Q40.6 Q40.7 Q40.8 R4.1 R13.2 | length 118.6
  L1 w0.5: C420.2@-9.6,26.4 -9.6,21.4 J5.3@-7.75,21.4 ; C32.2@-8.9,32 C421.2@-5.6,32 -3.005,32 Q1.5@-3.005,30.1 ; C43.2@-8.3,8 -8.265,7.965 Q3.6@-8.265,4.3 -8.265,2.4 C42.2@-1.1,2.4 ; Q1.6@-1.735,30.1 -1.735,26.435 C33.2@-1.7,26.4 C422.2@4,26.4 ; C75.2@5.335,7.965 Q15.6@5.335,4.3 5.335,2.4 C74.2@12.5,2.4 ; C107.2@18.935,7.965 Q27.6@18.935,4.3 18.935,2.4 C106.2@26.1,2.4 ; C139.2@32.535,7.965 Q39.6@32.535,4.3 32.535,2.4 C138.2@39.7,2.4 ; Q4.6@46.135,4.3 46.135,2.4 C47.2@53.3,2.4 ; C80.2@59.735,7.965 Q16.6@59.735,4.3 59.735,2.4 C79.2@66.9,2.4 ; C112.2@73.335,7.965 Q28.6@73.335,4.3 73.335,2.4 C111.2@80.5,2.4 ; Q40.6@86.935,4.3 86.935,2.4 C143.2@94.1,2.4
$1I69\$1N2815: TP30.1 U2.AM6 | length 0.7
  L1 w0.3: U2.AM6@44.2,-56.5 v1(44.7,-56)
$1I69\$1N2816: TP34.1 U2.AM7 | length 0.7
  L1 w0.3: U2.AM7@43.2,-56.5 v1(43.7,-56)
$1I69\$1N2817: TP31.1 U2.AL32 | length 0.7
  L1 w0.3: v1(17.7,-57) U2.AL32@18.2,-57.5
$1I69\$1N2818: TP35.1 U2.AK32 | length 0.7
  L1 w0.3: v1(17.7,-58) U2.AK32@18.2,-58.5
$1I69\$1N2819: TP32.1 U2.E31 | length 0.7
  L1 w0.3: v1(18.7,-84) U2.E31@19.2,-83.5
$1I69\$1N2820: TP36.1 U2.E30 | length 0.7
  L1 w0.3: v1(19.7,-84) U2.E30@20.2,-83.5
$1I69\$1N2821: TP33.1 U2.F5 | length 0.7
  L1 w0.3: U2.F5@45.2,-82.5 v1(45.7,-83)
$1I69\$1N2822: TP37.1 U2.G5 | length 0.7
  L1 w0.3: U2.G5@45.2,-81.5 v1(45.7,-82)
$1I69\$1N2823: TP54.1 U2.AM1 | length 0.7
  L1 w0.3: U2.AM1@49.2,-56.5 v1(49.7,-56)
$1I69\$1N2824: TP58.1 U2.AG2 | length 0.7
  L1 w0.3: U2.AG2@48.2,-61.5 v1(48.7,-61)
$1I69\$1N2825: TP66.1 U2.AG4 | length 0.7
  L1 w0.3: U2.AG4@46.2,-61.5 v1(46.7,-61)
$1I69\$1N2826: TP62.1 U2.AH3 | length 0.7
  L1 w0.3: U2.AH3@47.2,-60.5 v1(47.7,-60)
$1I69\$1N2827: TP55.1 U2.AT32 | length 0.7
  L1 w0.3: v1(17.7,-52) U2.AT32@18.2,-52.5
$1I69\$1N2828: TP59.1 U2.AR27 | length 0.7
  L1 w0.3: v1(22.7,-53) U2.AR27@23.2,-53.5
$1I69\$1N2829: TP67.1 U2.AN27 | length 0.7
  L1 w0.3: v1(22.7,-55) U2.AN27@23.2,-55.5